# KiCad board poly_kb_molecule_8x5.kicad_pcb (continued)
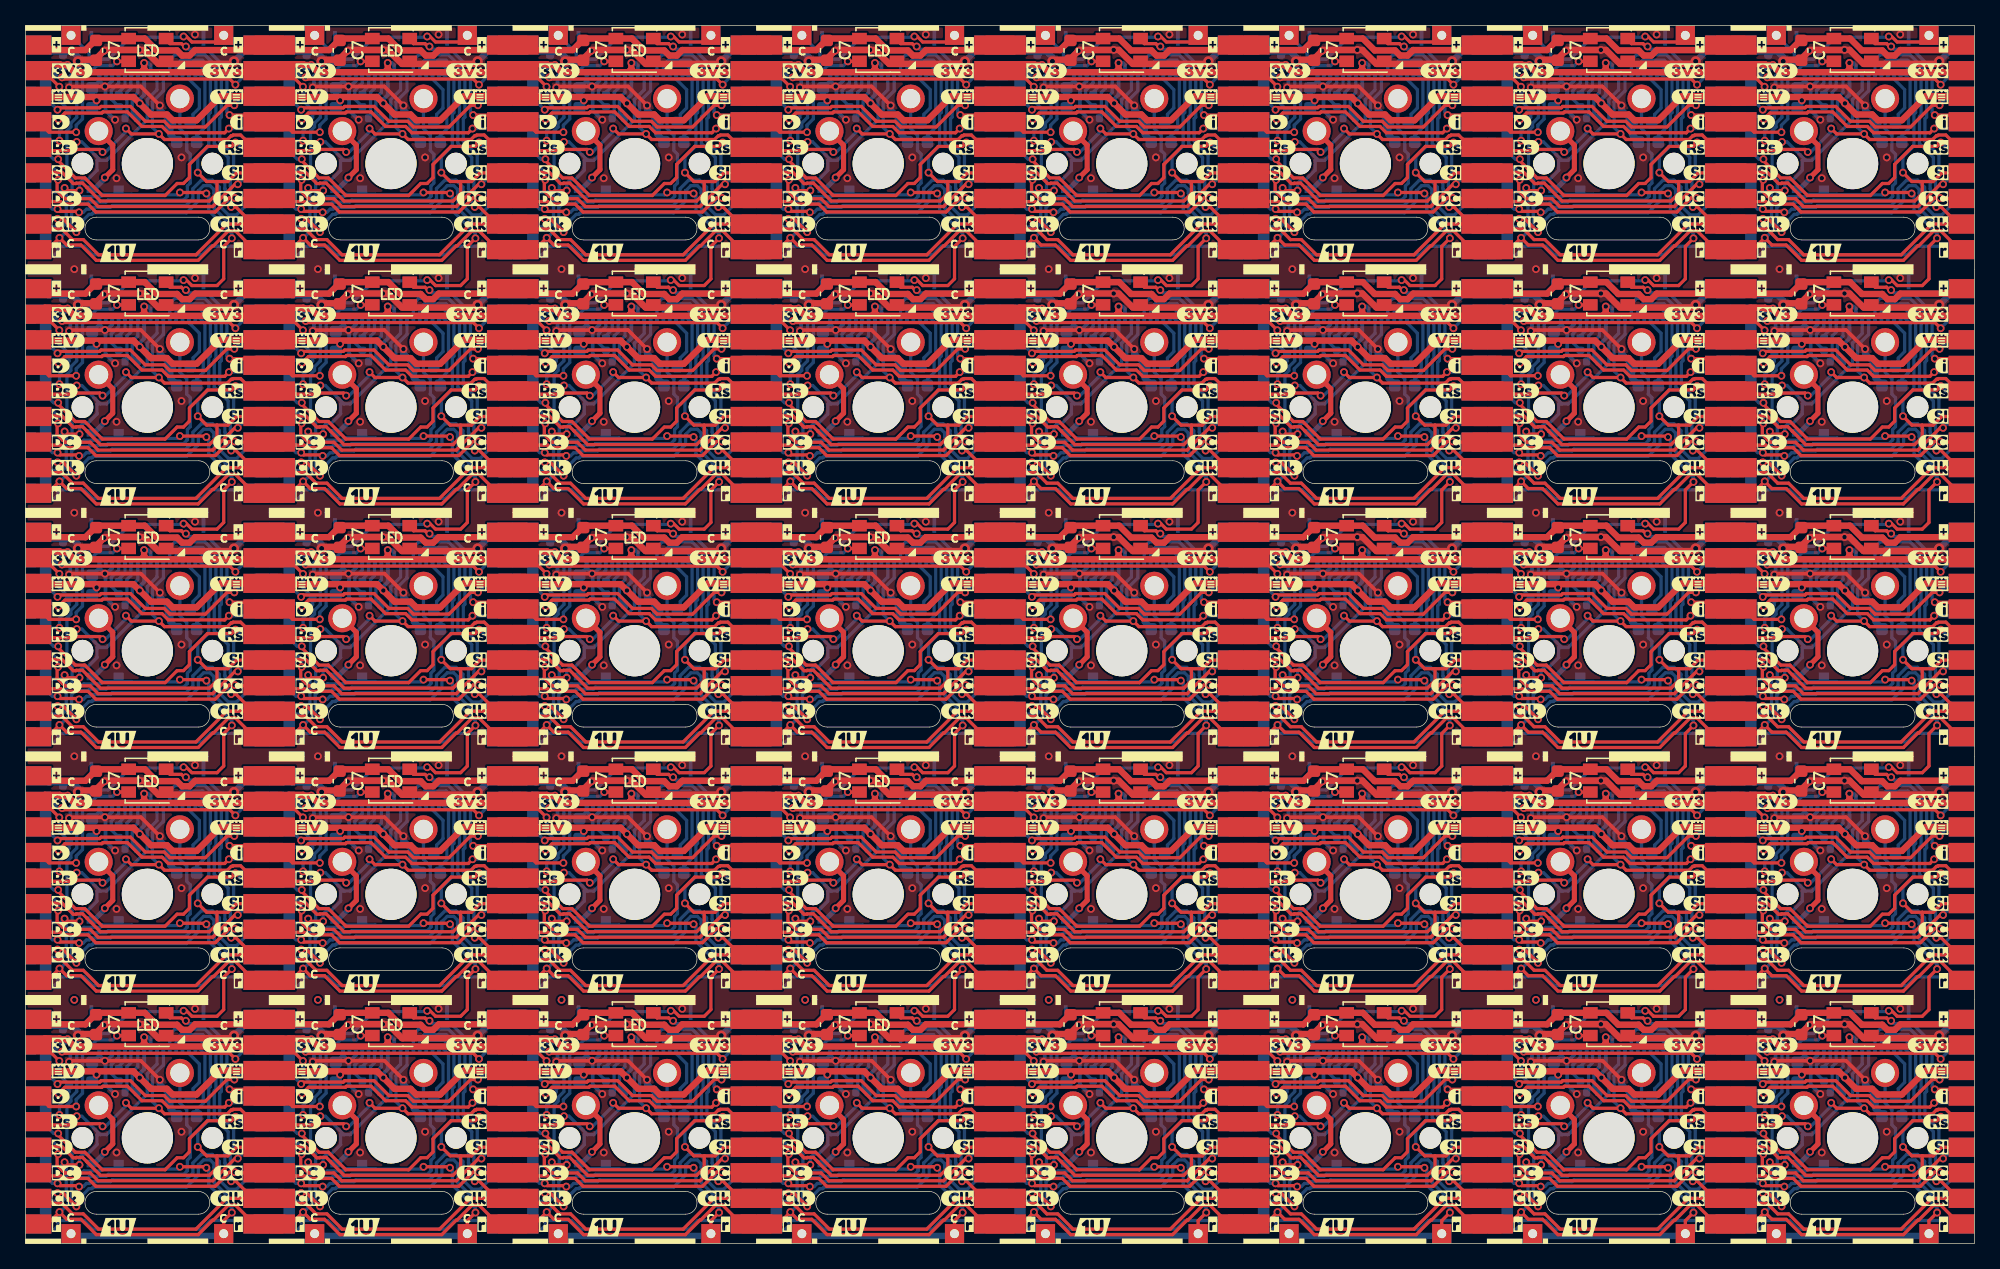
[diagram p0: board, top side]
## Routing (per net, layer and track width the routed paths; a pad name or vN(x,y) marks a point on that pad's centre or on a via; arc(x,y) is an arc through that point) (continued)
/Keyboard/sheet605ED2EB/GND: length 1598.7
  Top w0.292: v1(48.6,12.8) 47.11,14.29 v1(44.3,14.29) 41.56,14.29 41.48,14.21 ; 60.53,14.21 60.61,14.29 v1(63.35,14.29) 66.16,14.29 v1(67.65,12.8) ; 117.68,90.41 117.76,90.49 v1(120.5,90.49) 123.31,90.49 v1(124.8,89) ; 3.38,90.41 3.46,90.49 v1(6.2,90.49) 9.01,90.49 v1(10.5,89) ; 41.48,71.36 41.56,71.44 v1(44.3,71.44) 47.11,71.44 v1(48.6,69.95) ; 3.38,71.36 3.46,71.44 v1(6.2,71.44) 9.01,71.44 v1(10.5,69.95) ; v1(67.65,89) 66.16,90.49 v1(63.35,90.49) 60.61,90.49 60.53,90.41 ; v1(10.5,12.8) 9.01,14.29 v1(6.2,14.29) 3.46,14.29 3.38,14.21 ; 79.58,14.21 79.66,14.29 v1(82.4,14.29) 85.21,14.29 v1(86.7,12.8) ; 41.48,52.31 41.56,52.39 v1(44.3,52.39) 47.11,52.39 v1(48.6,50.9) ; 117.68,33.26 117.76,33.34 v1(120.5,33.34) 123.31,33.34 v1(124.8,31.85) ; 41.48,33.26 41.56,33.34 v1(44.3,33.34) 47.11,33.34 v1(48.6,31.85) ; v1(105.75,12.8) 104.26,14.29 v1(101.45,14.29) 98.71,14.29 98.63,14.21 ; v1(105.75,89) 104.26,90.49 v1(101.45,90.49) 98.71,90.49 98.63,90.41 ; v1(105.75,69.95) 104.26,71.44 v1(101.45,71.44) 98.71,71.44 98.63,71.36 ; 136.73,14.21 136.81,14.29 v1(139.55,14.29) 142.36,14.29 v1(143.85,12.8) ; 60.53,33.26 60.61,33.34 v1(63.35,33.34) 66.16,33.34 v1(67.65,31.85) ; v1(86.7,89) 85.21,90.49 v1(82.4,90.49) 79.66,90.49 79.58,90.41 ; 98.63,33.26 98.71,33.34 v1(101.45,33.34) 104.26,33.34 v1(105.75,31.85) ; 79.58,52.31 79.66,52.39 v1(82.4,52.39) 85.21,52.39 v1(86.7,50.9) ; v1(143.85,69.95) 142.36,71.44 v1(139.55,71.44) 136.81,71.44 136.73,71.36 ; v1(67.65,50.9) 66.16,52.39 v1(63.35,52.39) 60.61,52.39 60.53,52.31 ; 117.68,52.31 117.76,52.39 v1(120.5,52.39) 123.31,52.39 v1(124.8,50.9) ; 136.73,33.26 136.81,33.34 v1(139.55,33.34) 142.36,33.34 v1(143.85,31.85) ; v1(48.6,89) 47.11,90.49 v1(44.3,90.49) 41.56,90.49 41.48,90.41 ; 22.43,90.41 22.51,90.49 v1(25.25,90.49) 28.06,90.49 v1(29.55,89) ; 98.63,52.31 98.71,52.39 v1(101.45,52.39) 104.26,52.39 v1(105.75,50.9) ; v1(29.55,31.85) 28.06,33.34 v1(25.25,33.34) 22.51,33.34 22.43,33.26 ; v1(143.85,50.9) 142.36,52.39 v1(139.55,52.39) 136.81,52.39 136.73,52.31 ; v1(29.55,12.8) 28.06,14.29 v1(25.25,14.29) 22.51,14.29 22.43,14.21 ; 117.68,14.21 117.76,14.29 v1(120.5,14.29) 123.31,14.29 v1(124.8,12.8) ; 3.38,52.31 3.46,52.39 v1(6.2,52.39) 9.01,52.39 v1(10.5,50.9) ; v1(143.85,89) 142.36,90.49 v1(139.55,90.49) 136.81,90.49 136.73,90.41 ; v1(86.7,31.85) 85.21,33.34 v1(82.4,33.34) 79.66,33.34 79.58,33.26 ; v1(10.5,31.85) 9.01,33.34 v1(6.2,33.34) 3.46,33.34 3.38,33.26 ; 22.43,71.36 22.51,71.44 v1(25.25,71.44) 28.06,71.44 v1(29.55,69.95) ; 79.58,71.36 79.66,71.44 v1(82.4,71.44) 85.21,71.44 v1(86.7,69.95) ; 117.68,71.36 117.76,71.44 v1(120.5,71.44) 123.31,71.44 v1(124.8,69.95) ; v1(67.65,69.95) 66.16,71.44 v1(63.35,71.44) 60.61,71.44 60.53,71.36 ; 22.43,52.31 22.51,52.39 v1(25.25,52.39) 28.06,52.39 v1(29.55,50.9)
  Top w0.5: v2(111.55,16.25) 111.35,16.05 105.63,16.05 104.54,17.15 v1(104.14,17.15) 101.46,17.15 v1(101.39,17.08) 100.69,16.38 99.55,16.38 ; 4.3,16.38 5.44,16.38 v1(6.14,17.08) 6.21,17.15 v1(8.89,17.15) 9.29,17.15 10.38,16.05 16.1,16.05 v2(16.3,16.25) ; v2(54.4,73.4) 54.2,73.2 48.48,73.2 47.39,74.3 v1(46.99,74.3) 44.31,74.3 v1(44.24,74.23) 43.54,73.53 42.4,73.53 ; 80.5,92.58 81.64,92.58 v1(82.34,93.28) 82.41,93.34 v1(85.09,93.34) 85.49,93.34 86.58,92.25 92.3,92.25 v2(92.5,92.45) ; 99.55,73.53 100.69,73.53 v1(101.39,74.23) 101.46,74.3 v1(104.14,74.3) 104.54,74.3 105.63,73.2 111.35,73.2 v2(111.55,73.4) ; v2(16.3,54.35) 16.1,54.15 10.38,54.15 9.29,55.24 v1(8.89,55.24) 6.21,55.24 v1(6.14,55.18) 5.44,54.48 4.3,54.48 ; v2(92.5,35.3) 92.3,35.1 86.58,35.1 85.49,36.19 v1(85.09,36.19) 82.41,36.19 v1(82.34,36.13) 81.64,35.43 80.5,35.43 ; v2(35.35,35.3) 35.15,35.1 29.43,35.1 28.34,36.19 v1(27.94,36.19) 25.26,36.19 v1(25.19,36.13) 24.49,35.43 23.35,35.43 ; 23.35,54.48 24.49,54.48 v1(25.19,55.18) 25.26,55.24 v1(27.94,55.24) 28.34,55.24 29.43,54.15 35.15,54.15 v2(35.35,54.35) ; v2(130.6,73.4) 130.4,73.2 124.68,73.2 123.59,74.3 v1(123.19,74.3) 120.51,74.3 v1(120.44,74.23) 119.74,73.53 118.6,73.53 ; 118.6,92.58 119.74,92.58 v1(120.44,93.28) 120.51,93.34 v1(123.19,93.34) 123.59,93.34 124.68,92.25 130.4,92.25 v2(130.6,92.45) ; v2(130.6,54.35) 130.4,54.15 124.68,54.15 123.59,55.24 v1(123.19,55.24) 120.51,55.24 v1(120.44,55.18) 119.74,54.48 118.6,54.48 ; v2(149.65,35.3) 149.45,35.1 143.73,35.1 142.64,36.19 v1(142.24,36.19) 139.56,36.19 v1(139.49,36.13) 138.79,35.43 137.65,35.43 ; v2(92.5,54.35) 92.3,54.15 86.58,54.15 85.49,55.24 v1(85.09,55.24) 82.41,55.24 v1(82.34,55.18) 81.64,54.48 80.5,54.48 ; v2(111.55,54.35) 111.35,54.15 105.63,54.15 104.54,55.24 v1(104.14,55.24) 101.46,55.24 v1(101.39,55.18) 100.69,54.48 99.55,54.48 ; v2(73.45,35.3) 73.25,35.1 67.53,35.1 66.44,36.19 v1(66.04,36.19) 63.36,36.19 v1(63.29,36.13) 62.59,35.43 61.45,35.43 ; v2(73.45,54.35) 73.25,54.15 67.53,54.15 66.44,55.24 v1(66.04,55.24) 63.36,55.24 v1(63.29,55.18) 62.59,54.48 61.45,54.48 ; v2(35.35,73.4) 35.15,73.2 29.43,73.2 28.34,74.3 v1(27.94,74.3) 25.26,74.3 v1(25.19,74.23) 24.49,73.53 23.35,73.53 ; v2(16.3,35.3) 16.1,35.1 10.38,35.1 9.29,36.19 v1(8.89,36.19) 6.21,36.19 v1(6.14,36.13) 5.44,35.43 4.3,35.43 ; v2(92.5,16.25) 92.3,16.05 86.58,16.05 85.49,17.15 v1(85.09,17.15) 82.41,17.15 v1(82.34,17.08) 81.64,16.38 80.5,16.38 ; v2(35.35,16.25) 35.15,16.05 29.43,16.05 28.34,17.15 v1(27.94,17.15) 25.26,17.15 v1(25.19,17.08) 24.49,16.38 23.35,16.38 ; v2(149.65,92.45) 149.45,92.25 143.73,92.25 142.64,93.34 v1(142.24,93.34) 139.56,93.34 v1(139.49,93.28) 138.79,92.58 137.65,92.58 ; v2(73.45,73.4) 73.25,73.2 67.53,73.2 66.44,74.3 v1(66.04,74.3) 63.36,74.3 v1(63.29,74.23) 62.59,73.53 61.45,73.53 ; v2(54.4,54.35) 54.2,54.15 48.48,54.15 47.39,55.24 v1(46.99,55.24) 44.31,55.24 v1(44.24,55.18) 43.54,54.48 42.4,54.48 ; v2(54.4,35.3) 54.2,35.1 48.48,35.1 47.39,36.19 v1(46.99,36.19) 44.31,36.19 v1(44.24,36.13) 43.54,35.43 42.4,35.43 ; 4.3,73.53 5.44,73.53 v1(6.14,74.23) 6.21,74.3 v1(8.89,74.3) 9.29,74.3 10.38,73.2 16.1,73.2 v2(16.3,73.4) ; v2(73.45,92.45) 73.25,92.25 67.53,92.25 66.44,93.34 v1(66.04,93.34) 63.36,93.34 v1(63.29,93.28) 62.59,92.58 61.45,92.58 ; v2(73.45,16.25) 73.25,16.05 67.53,16.05 66.44,17.15 v1(66.04,17.15) 63.36,17.15 v1(63.29,17.08) 62.59,16.38 61.45,16.38 ; v2(54.4,16.25) 54.2,16.05 48.48,16.05 47.39,17.15 v1(46.99,17.15) 44.31,17.15 v1(44.24,17.08) 43.54,16.38 42.4,16.38 ; 42.4,92.58 43.54,92.58 v1(44.24,93.28) 44.31,93.34 v1(46.99,93.34) 47.39,93.34 48.48,92.25 54.2,92.25 v2(54.4,92.45) ; v2(130.6,16.25) 130.4,16.05 124.68,16.05 123.59,17.15 v1(123.19,17.15) 120.51,17.15 v1(120.44,17.08) 119.74,16.38 118.6,16.38 ; v2(149.65,16.25) 149.45,16.05 143.73,16.05 142.64,17.15 v1(142.24,17.15) 139.56,17.15 v1(139.49,17.08) 138.79,16.38 137.65,16.38 ; 137.65,54.48 138.79,54.48 v1(139.49,55.18) 139.56,55.24 v1(142.24,55.24) 142.64,55.24 143.73,54.15 149.45,54.15 v2(149.65,54.35) ; 137.65,73.53 138.79,73.53 v1(139.49,74.23) 139.56,74.3 v1(142.24,74.3) 142.64,74.3 143.73,73.2 149.45,73.2 v2(149.65,73.4) ; 99.55,35.43 100.69,35.43 v1(101.39,36.13) 101.46,36.19 v1(104.14,36.19) 104.54,36.19 105.63,35.1 111.35,35.1 v2(111.55,35.3) ; v2(111.55,92.45) 111.35,92.25 105.63,92.25 104.54,93.34 v1(104.14,93.34) 101.46,93.34 v1(101.39,93.28) 100.69,92.58 99.55,92.58 ; v2(130.6,35.3) 130.4,35.1 124.68,35.1 123.59,36.19 v1(123.19,36.19) 120.51,36.19 v1(120.44,36.13) 119.74,35.43 118.6,35.43 ; v2(92.5,73.4) 92.3,73.2 86.58,73.2 85.49,74.3 v1(85.09,74.3) 82.41,74.3 v1(82.34,74.23) 81.64,73.53 80.5,73.53 ; 23.35,92.58 24.49,92.58 v1(25.19,93.28) 25.26,93.34 v1(27.94,93.34) 28.34,93.34 29.43,92.25 35.15,92.25 v2(35.35,92.45) ; 4.3,92.58 5.44,92.58 v1(6.14,93.28) 6.21,93.34 v1(8.89,93.34) 9.29,93.34 10.38,92.25 16.1,92.25 v2(16.3,92.45)
  Bottom w0.292: 62.36,90.56 62.57,90.56 62.92,90.92 ; 6.98,11.68 6.25,12.42 6.25,14.24 v1(6.2,14.29) ; 140.34,49.78 139.6,50.52 139.6,52.34 v1(139.55,52.39) ; v1(25.25,14.29) 25.3,14.24 25.3,12.42 26.03,11.68 ; v1(25.25,14.29) 25.25,14.29 24.82,14.72 ; v1(25.25,14.29) 25.39,14.29 25.82,14.72 J1#13.3 ; 81.41,33.41 81.62,33.41 81.97,33.77 ; J1#2.1 24.82,33.77 ; 24.82,33.77 24.47,33.41 24.26,33.41 ; 24.82,33.77 25.25,33.34 v1(25.25,33.34) ; v2(23.15,73.4) 23.1,73.35 23.1,72.8 22.55,72.25 22.55,71.48 22.43,71.36 ; v1(25.25,90.49) 25.3,90.44 25.3,88.62 26.03,87.88 ; v1(25.25,90.49) 25.39,90.49 25.82,90.92 J1#24.3 ; v1(25.25,90.49) 25.25,90.49 24.82,90.92 ; J1#11.1 139.12,52.82 ; 139.12,52.82 138.77,52.46 138.56,52.46 ; 139.12,52.82 139.55,52.39 v1(139.55,52.39) ; v2(23.15,35.3) 23.1,35.25 23.1,34.7 22.55,34.15 22.55,33.38 22.43,33.26 ; J1#5.1 120.07,33.77 ; 120.07,33.77 120.5,33.34 v1(120.5,33.34) ; 120.07,33.77 119.72,33.41 119.51,33.41 ; 64.14,49.78 63.4,50.52 63.4,52.34 v1(63.35,52.39) ; 81.41,52.46 81.62,52.46 81.97,52.82 ; J1#21.3 82.97,52.83 82.54,52.39 v1(82.4,52.39) ; v2(99.35,54.35) 99.3,54.3 99.3,53.75 98.75,53.2 98.75,52.43 98.63,52.31 ; 6.98,87.88 6.25,88.62 6.25,90.44 v1(6.2,90.49) ; J1#31.3 102.03,14.72 101.59,14.29 v1(101.45,14.29) ; 24.82,71.87 24.47,71.51 24.26,71.51 ; 24.82,71.87 25.25,71.44 v1(25.25,71.44) ; 24.82,71.87 J1#30.1 ; J1#17.1 101.03,71.87 ; 101.03,71.87 100.67,71.51 100.46,71.51 ; 101.03,71.87 101.45,71.44 v1(101.45,71.44) ; 121.28,49.78 120.55,50.52 120.55,52.34 v1(120.5,52.39) ; v1(139.55,33.34) 139.55,33.34 139.12,33.77 ; v1(139.55,33.34) 139.6,33.29 139.6,31.47 140.34,30.73 ; v1(139.55,33.34) 139.69,33.34 140.12,33.77 J1#28.3 ; v1(44.3,14.29) 44.35,14.24 44.35,12.42 45.08,11.68 ; v1(44.3,14.29) 44.44,14.29 44.88,14.72 J1#27.3 ; v1(44.3,14.29) 44.3,14.29 43.88,14.72 ; 117.68,90.41 117.8,90.53 117.8,91.3 118.35,91.85 118.35,92.4 v2(118.4,92.45) ; 102.23,49.78 101.5,50.52 101.5,52.34 v1(101.45,52.39) ; 120.07,71.87 120.5,71.44 v1(120.5,71.44) ; 120.07,71.87 J1#20.1 ; 120.07,71.87 119.72,71.51 119.51,71.51 ; J1#33.3 63.92,71.88 63.49,71.44 v1(63.35,71.44) ; 98.63,71.36 98.75,71.48 98.75,72.25 99.3,72.8 99.3,73.35 v2(99.35,73.4) ; v1(63.35,33.34) 63.4,33.29 63.4,31.47 64.14,30.73 ; v1(63.35,33.34) 63.35,33.34 62.92,33.77 ; v1(63.35,33.34) 63.49,33.34 63.92,33.77 J1#3.3 ; 5.77,33.77 6.2,33.34 v1(6.2,33.34) ; 5.77,33.77 J1#6.1 ; 5.77,33.77 5.42,33.41 5.21,33.41 ; v1(139.55,14.29) 139.55,14.29 139.12,14.72 ; v1(139.55,14.29) 139.69,14.29 140.12,14.72 J1#15.3 ; v1(139.55,14.29) 139.6,14.24 139.6,12.42 140.34,11.68 ; 43.88,71.87 44.3,71.44 v1(44.3,71.44) ; 43.88,71.87 43.52,71.51 43.31,71.51 ; 43.88,71.87 J1#4.1 ; v2(80.3,73.4) 80.25,73.35 80.25,72.8 79.7,72.25 79.7,71.48 79.58,71.36 ; 136.73,52.31 136.85,52.43 136.85,53.2 137.4,53.75 137.4,54.3 v2(137.45,54.35) ; 22.43,90.41 22.55,90.53 22.55,91.3 23.1,91.85 23.1,92.4 v2(23.15,92.45) ; v1(120.5,71.44) 120.64,71.44 121.07,71.88 J1#20.3 ; v1(120.5,71.44) 120.55,71.39 120.55,69.57 121.28,68.83 ; 83.19,49.78 82.45,50.52 82.45,52.34 v1(82.4,52.39) ; 81.41,90.56 81.62,90.56 81.97,90.92 ; v1(44.3,33.34) 44.44,33.34 44.88,33.77 J1#34.3 ; v1(44.3,33.34) 44.35,33.29 44.35,31.47 45.08,30.73 ; v1(44.3,33.34) 44.3,33.34 43.88,33.77 ; J1#18.1 62.92,90.92 ; 62.92,90.92 63.35,90.49 v1(63.35,90.49) ; J1#35.3 63.92,52.83 63.49,52.39 v1(63.35,52.39) ; 24.82,52.82 24.47,52.46 24.26,52.46 ; 24.82,52.82 25.25,52.39 v1(25.25,52.39) ; 24.82,52.82 J1#23.1 ; 136.73,90.41 136.85,90.53 136.85,91.3 137.4,91.85 137.4,92.4 v2(137.45,92.45) ; 100.46,14.36 100.67,14.36 101.03,14.72 ; 43.31,52.46 43.52,52.46 43.88,52.82 ; v1(120.5,52.39) 120.64,52.39 121.07,52.83 J1#19.3 ; v1(120.5,52.39) 120.5,52.39 120.07,52.82 ; 79.58,33.26 79.7,33.38 79.7,34.15 80.25,34.7 80.25,35.25 v2(80.3,35.3) ; J1#29.3 63.92,14.72 63.49,14.29 v1(63.35,14.29) ; v1(82.4,71.44) 82.54,71.44 82.97,71.88 J1#36.3 ; v1(82.4,71.44) 82.4,71.44 81.97,71.87 ; v1(82.4,71.44) 82.45,71.39 82.45,69.57 83.19,68.83 ; v1(120.5,90.49) 120.64,90.49 121.07,90.92 J1#26.3 ; v1(120.5,90.49) 120.55,90.44 120.55,88.62 121.28,87.88 ; v1(120.5,90.49) 120.5,90.49 120.07,90.92 ; 101.03,33.77 100.67,33.41 100.46,33.41 ; 101.03,33.77 J1#40.1 ; 101.03,33.77 101.45,33.34 v1(101.45,33.34) ; 62.92,71.87 62.57,71.51 62.36,71.51 ; 62.92,71.87 J1#33.1 ; 62.92,71.87 63.35,71.44 v1(63.35,71.44) ; 121.28,30.73 120.55,31.47 120.55,33.29 v1(120.5,33.34) ; 136.73,71.36 136.85,71.48 136.85,72.25 137.4,72.8 137.4,73.35 v2(137.45,73.4) ; 5.21,14.36 5.42,14.36 5.77,14.72 ; v1(25.25,33.34) 25.3,33.29 25.3,31.47 26.03,30.73 ; v1(25.25,33.34) 25.39,33.34 25.82,33.77 J1#2.3 ; 45.08,68.83 44.35,69.57 44.35,71.39 v1(44.3,71.44) ; v1(63.35,90.49) 63.4,90.44 63.4,88.62 64.14,87.88 ; v1(63.35,90.49) 63.49,90.49 63.92,90.92 J1#18.3 ; 24.82,14.72 24.47,14.36 24.26,14.36 ; 24.82,14.72 J1#13.1 ; v1(44.3,90.49) 44.3,90.49 43.88,90.92 ; v1(44.3,90.49) 44.44,90.49 44.88,90.92 J1#10.3 ; v1(44.3,90.49) 44.35,90.44 44.35,88.62 45.08,87.88 ; 81.97,33.77 82.4,33.34 v1(82.4,33.34) ; 81.97,33.77 J1#37.1 ; v2(99.35,35.3) 99.3,35.25 99.3,34.7 98.75,34.15 98.75,33.38 98.63,33.26 ; v1(6.2,33.34) 6.34,33.34 6.77,33.77 J1#6.3 ; v1(6.2,33.34) 6.25,33.29 6.25,31.47 6.98,30.73 ; 138.56,33.41 138.77,33.41 139.12,33.77 ; v1(82.4,14.29) 82.4,14.29 81.97,14.72 ; v1(82.4,14.29) 82.45,14.24 82.45,12.42 83.19,11.68 ; v1(82.4,14.29) 82.54,14.29 82.97,14.72 J1#25.3 ; 62.92,33.77 62.57,33.41 62.36,33.41 ; 62.92,33.77 J1#3.1 ; v1(6.2,52.39) 6.34,52.39 6.77,52.83 J1#9.3 ; v1(6.2,52.39) 6.2,52.39 5.77,52.82 ; v1(6.2,52.39) 6.25,52.34 6.25,50.52 6.98,49.78 ; v2(137.45,35.3) 137.4,35.25 137.4,34.7 136.85,34.15 136.85,33.38 136.73,33.26 ; J1#27.1 43.88,14.72 ; 43.88,14.72 43.52,14.36 43.31,14.36 ; 5.77,14.72 6.2,14.29 v1(6.2,14.29) ; 5.77,14.72 J1#22.1 ; 43.88,90.92 43.52,90.56 43.31,90.56 ; 43.88,90.92 J1#10.1 ; 41.48,14.21 41.6,14.33 41.6,15.1 42.15,15.65 42.15,16.2 v2(42.2,16.25) ; 24.26,90.56 24.47,90.56 24.82,90.92 ; 79.58,14.21 79.7,14.33 79.7,15.1 80.25,15.65 80.25,16.2 v2(80.3,16.25) ; v1(139.55,52.39) 139.69,52.39 140.12,52.83 J1#11.3 ; J1#19.1 120.07,52.82 ; 120.07,52.82 119.72,52.46 119.51,52.46 ; v1(101.45,14.29) 101.45,14.29 101.03,14.72 ; v1(101.45,14.29) 101.5,14.24 101.5,12.42 102.23,11.68 ; v2(80.3,54.35) 80.25,54.3 80.25,53.75 79.7,53.2 79.7,52.43 79.58,52.31 ; J1#14.1 81.97,90.92 ; 81.97,90.92 82.4,90.49 v1(82.4,90.49) ; 81.97,71.87 81.62,71.51 81.41,71.51 ; 81.97,71.87 J1#36.1 ; 102.23,68.83 101.5,69.57 101.5,71.39 v1(101.45,71.44) ; 140.34,68.83 139.6,69.57 139.6,71.39 v1(139.55,71.44) ; 138.56,90.56 138.77,90.56 139.12,90.92 ; v1(101.45,90.49) 101.5,90.44 101.5,88.62 102.23,87.88 ; v1(101.45,90.49) 101.59,90.49 102.03,90.92 J1#38.3 ; v1(101.45,90.49) 101.45,90.49 101.03,90.92 ; v2(42.2,92.45) 42.15,92.4 42.15,91.85 41.6,91.3 41.6,90.53 41.48,90.41 ; J1#29.1 62.92,14.72 ; 62.92,14.72 62.57,14.36 62.36,14.36 ; 62.92,14.72 63.35,14.29 v1(63.35,14.29) ; 5.77,71.87 6.2,71.44 v1(6.2,71.44) ; 5.77,71.87 5.42,71.51 5.21,71.51 ; 5.77,71.87 J1#39.1 ; 41.48,33.26 41.6,33.38 41.6,34.15 42.15,34.7 42.15,35.25 v2(42.2,35.3) ; 60.53,14.21 60.65,14.33 60.65,15.1 61.2,15.65 61.2,16.2 v2(61.25,16.25) ; 81.97,14.72 J1#25.1 ; 81.97,14.72 81.62,14.36 81.41,14.36 ; v1(82.4,33.34) 82.45,33.29 82.45,31.47 83.19,30.73 ; v1(82.4,33.34) 82.54,33.34 82.97,33.77 J1#37.3 ; v2(137.45,16.25) 137.4,16.2 137.4,15.65 136.85,15.1 136.85,14.33 136.73,14.21 ; 3.38,52.31 3.5,52.43 3.5,53.2 4.05,53.75 4.05,54.3 v2(4.1,54.35) ; 3.38,71.36 3.5,71.48 3.5,72.25 4.05,72.8 4.05,73.35 v2(4.1,73.4) ; v1(139.55,71.44) 139.55,71.44 139.12,71.87 ; v1(139.55,71.44) 139.69,71.44 140.12,71.88 J1#16.3 ; 41.48,71.36 41.6,71.48 41.6,72.25 42.15,72.8 42.15,73.35 v2(42.2,73.4) ; v1(82.4,90.49) 82.45,90.44 82.45,88.62 83.19,87.88 ; v1(82.4,90.49) 82.54,90.49 82.97,90.92 J1#14.3 ; v1(6.2,14.29) 6.34,14.29 6.77,14.72 J1#22.3 ; v2(118.4,73.4) 118.35,73.35 118.35,72.8 117.8,72.25 117.8,71.48 117.68,71.36 ; 120.07,90.92 119.72,90.56 119.51,90.56 ; 120.07,90.92 J1#26.1 ; J1#7.1 101.03,52.82 ; 101.03,52.82 101.45,52.39 v1(101.45,52.39) ; 101.03,52.82 100.67,52.46 100.46,52.46 ; v1(25.25,71.44) 25.39,71.44 25.82,71.88 J1#30.3 ; v1(25.25,71.44) 25.3,71.39 25.3,69.57 26.03,68.83 ; 139.12,33.77 J1#28.1 ; 26.03,49.78 25.3,50.52 25.3,52.34 v1(25.25,52.39) ; 5.77,90.92 5.42,90.56 5.21,90.56 ; 5.77,90.92 J1.1 ; 5.77,90.92 6.2,90.49 v1(6.2,90.49) ; J1#32.3 140.12,90.92 139.69,90.49 v1(139.55,90.49) ; v2(118.4,35.3) 118.35,35.25 118.35,34.7 117.8,34.15 117.8,33.38 117.68,33.26 ; v2(23.15,16.25) 23.1,16.2 23.1,15.65 22.55,15.1 22.55,14.33 22.43,14.21 ; v2(4.1,92.45) 4.05,92.4 4.05,91.85 3.5,91.3 3.5,90.53 3.38,90.41 ; J1#12.3 44.88,52.83 44.44,52.39 v1(44.3,52.39) ; v1(63.35,71.44) 63.4,71.39 63.4,69.57 64.14,68.83 ; v2(61.25,73.4) 61.2,73.35 61.2,72.8 60.65,72.25 60.65,71.48 60.53,71.36 ; 43.88,52.82 J1#12.1 ; 43.88,52.82 44.3,52.39 v1(44.3,52.39) ; v1(25.25,52.39) 25.39,52.39 25.82,52.83 J1#23.3 ; 120.07,14.72 119.72,14.36 119.51,14.36 ; 120.07,14.72 120.5,14.29 v1(120.5,14.29) ; 120.07,14.72 J1#8.1 ; J1#5.3 121.07,33.77 120.64,33.34 v1(120.5,33.34) ; v2(4.1,16.25) 4.05,16.2 4.05,15.65 3.5,15.1 3.5,14.33 3.38,14.21 ; J1#32.1 139.12,90.92 ; 139.12,90.92 139.55,90.49 v1(139.55,90.49) ; v1(44.3,52.39) 44.35,52.34 44.35,50.52 45.08,49.78 ; v1(63.35,52.39) 63.35,52.39 62.92,52.82 ; v1(63.35,14.29) 63.4,14.24 63.4,12.42 64.14,11.68 ; J1#39.3 6.77,71.88 6.34,71.44 v1(6.2,71.44) ; J1#31.1 101.03,14.72 ; J1#21.1 81.97,52.82 ; 81.97,52.82 82.4,52.39 v1(82.4,52.39) ; J1#35.1 62.92,52.82 ; 62.92,52.82 62.57,52.46 62.36,52.46 ; v1(139.55,90.49) 139.6,90.44 139.6,88.62 140.34,87.88 ; v2(61.25,92.45) 61.2,92.4 61.2,91.85 60.65,91.3 60.65,90.53 60.53,90.41 ; v1(101.45,52.39) 101.59,52.39 102.03,52.83 J1#7.3 ; v1(120.5,14.29) 120.55,14.24 120.55,12.42 121.28,11.68 ; v1(120.5,14.29) 120.64,14.29 121.07,14.72 J1#8.3 ; 138.56,71.51 138.77,71.51 139.12,71.87 ; 117.68,52.31 117.8,52.43 117.8,53.2 118.35,53.75 118.35,54.3 v2(118.4,54.35) ; 100.46,90.56 100.67,90.56 101.03,90.92 ; v1(6.2,71.44) 6.25,71.39 6.25,69.57 6.98,68.83 ; v1(44.3,71.44) 44.44,71.44 44.88,71.88 J1#4.3 ; 117.68,14.21 117.8,14.33 117.8,15.1 118.35,15.65 118.35,16.2 v2(118.4,16.25) ; 101.03,90.92 J1#38.1 ; 139.12,14.72 138.77,14.36 138.56,14.36 ; 139.12,14.72 J1#15.1 ; v1(101.45,33.34) 101.59,33.34 102.03,33.77 J1#40.3 ; v1(101.45,33.34) 101.5,33.29 101.5,31.47 102.23,30.73 ; J1#9.1 5.77,52.82 ; 5.77,52.82 5.42,52.46 5.21,52.46 ; J1#16.1 139.12,71.87 ; v2(99.35,16.25) 99.3,16.2 99.3,15.65 98.75,15.1 98.75,14.33 98.63,14.21 ; J1#34.1 43.88,33.77 ; 43.88,33.77 43.52,33.41 43.31,33.41 ; v1(6.2,90.49) 6.34,90.49 6.77,90.92 J1.3 ; v2(4.1,35.3) 4.05,35.25 4.05,34.7 3.5,34.15 3.5,33.38 3.38,33.26 ; J1#17.3 102.03,71.88 101.59,71.44 v1(101.45,71.44) ; v2(42.2,54.35) 42.15,54.3 42.15,53.75 41.6,53.2 41.6,52.43 41.48,52.31 ; 79.58,90.41 79.7,90.53 79.7,91.3 80.25,91.85 80.25,92.4 v2(80.3,92.45) ; 22.43,52.31 22.55,52.43 22.55,53.2 23.1,53.75 23.1,54.3 v2(23.15,54.35) ; v2(61.25,35.3) 61.2,35.25 61.2,34.7 60.65,34.15 60.65,33.38 60.53,33.26 ; 24.82,90.92 J1#24.1 ; 60.53,52.31 60.65,52.43 60.65,53.2 61.2,53.75 61.2,54.3 v2(61.25,54.35) ; v2(99.35,92.45) 99.3,92.4 99.3,91.85 98.75,91.3 98.75,90.53 98.63,90.41
  Bottom w0.5: v1(86.7,50.9) 86.7,50.55 87.53,49.72 87.53,49.66 ; C3#13.2 79.23,54.94 79.23,55.12 ; v1(10.5,89) 10.5,88.65 11.32,87.82 11.32,87.76 ; 144.67,87.76 144.67,86.72 145.16,86.23 ; v2(54.4,92.45) 55.67,93.72 55.88,93.72 ; v2(149.65,92.45) 150.93,93.72 151.13,93.72 ; 36.83,17.53 36.62,17.53 v2(35.35,16.25) ; 60.18,36.07 60.18,35.89 C3#32.2 ; 60.18,36.07 58.93,36.07 58.42,36.58 ; 60.18,36.07 60.81,36.07 61.25,35.63 v2(61.25,35.3) ; 144.68,87.76 144.68,87.82 143.85,88.65 v1(143.85,89) ; 136.38,55.12 135.13,55.12 134.62,55.62 ; 136.38,55.12 137.01,55.12 137.45,54.68 v2(137.45,54.35) ; 136.38,55.12 136.38,54.94 C3#3.2 ; 125.62,11.56 125.62,11.62 124.8,12.45 v1(124.8,12.8) ; v2(35.35,73.4) 36.62,74.67 36.83,74.67 ; 79.23,55.12 79.86,55.12 80.3,54.68 v2(80.3,54.35) ; 79.23,55.12 77.98,55.12 77.47,55.62 ; v2(35.35,35.3) 36.62,36.58 36.83,36.58 ; v2(61.25,54.35) 61.25,54.68 60.81,55.12 60.18,55.12 ; 49.42,11.56 49.42,10.52 49.91,10.03 ; 107.06,48.13 106.57,48.62 106.57,49.66 ; 55.88,74.67 55.67,74.67 v2(54.4,73.4) ; 20.32,17.53 20.83,17.02 22.08,17.02 ; 115.57,93.72 116.08,93.22 117.33,93.22 ; v2(111.55,54.35) 112.82,55.62 113.03,55.62 ; C3#37.2 3.03,73.99 3.03,74.17 ; 98.28,55.12 98.91,55.12 99.35,54.68 v2(99.35,54.35) ; 98.28,55.12 98.28,54.94 C3#21.2 ; 98.28,55.12 97.03,55.12 96.52,55.62 ; 3.03,17.02 3.03,16.84 C3#18.2 ; 3.03,17.02 1.78,17.02 1.27,17.53 ; 3.03,17.02 3.66,17.02 4.1,16.58 v2(4.1,16.25) ; 22.08,74.17 22.08,73.99 C3#29.2 ; 22.08,74.17 22.71,74.17 23.15,73.73 v2(23.15,73.4) ; 22.08,74.17 20.83,74.17 20.32,74.67 ; C3#6.2 117.33,35.89 117.33,36.07 ; v2(149.65,35.3) 150.93,36.58 151.13,36.58 ; v2(99.35,92.45) 99.35,92.78 98.91,93.22 98.28,93.22 ; 87.52,87.76 87.52,86.72 88.01,86.23 ; v2(130.6,54.35) 131.88,55.62 132.08,55.62 ; 98.28,74.17 98.28,73.99 C3#15.2 ; 98.28,74.17 98.91,74.17 99.35,73.73 v2(99.35,73.4) ; 98.28,74.17 97.03,74.17 96.52,74.67 ; 30.37,87.76 30.37,86.72 30.86,86.23 ; C3#40.2 60.18,73.99 60.18,74.17 ; C3#27.2 79.23,35.89 79.23,36.07 ; v1(105.75,50.9) 105.75,50.55 106.57,49.72 106.57,49.66 ; 113.03,36.58 112.82,36.58 v2(111.55,35.3) ; 49.42,68.71 49.42,67.67 49.91,67.18 ; 125.62,87.76 125.62,86.72 126.11,86.23 ; 11.32,11.56 11.32,11.62 10.5,12.45 v1(10.5,12.8) ; 79.23,17.02 77.98,17.02 77.47,17.53 ; 79.23,17.02 79.86,17.02 80.3,16.58 v2(80.3,16.25) ; 79.23,17.02 79.23,16.84 C3#14.2 ; 113.03,17.53 112.82,17.53 v2(111.55,16.25) ; 79.23,74.17 79.86,74.17 80.3,73.73 v2(80.3,73.4) ; 79.23,74.17 79.23,73.99 C3#25.2 ; 79.23,74.17 77.98,74.17 77.47,74.67 ; 68.96,67.18 68.47,67.67 68.47,68.71 ; 30.86,48.13 30.37,48.62 30.37,49.66 ; 17.78,36.58 17.57,36.58 v2(16.3,35.3) ; v1(10.5,50.9) 10.5,50.55 11.32,49.72 11.32,49.66 ; v2(42.2,92.45) 42.2,92.78 41.76,93.22 41.13,93.22 ; 126.11,67.18 125.62,67.67 125.62,68.71 ; 11.32,11.56 11.32,10.52 11.81,10.03 ; v2(130.6,73.4) 131.88,74.67 132.08,74.67 ; v1(29.55,12.8) 29.55,12.45 30.38,11.62 30.38,11.56 ; 117.33,74.17 117.33,73.99 C3#16.2 ; 117.33,74.17 117.96,74.17 118.4,73.73 v2(118.4,73.4) ; 117.33,74.17 116.08,74.17 115.57,74.67 ; v2(130.6,16.25) 131.88,17.53 132.08,17.53 ; 39.37,17.53 39.88,17.02 41.13,17.02 ; v2(4.1,73.4) 4.1,73.73 3.66,74.17 3.03,74.17 ; v1(86.7,89) 86.7,88.65 87.53,87.82 87.53,87.76 ; v1(67.65,89) 67.65,88.65 68.47,87.82 68.47,87.76 ; 36.83,93.72 36.62,93.72 v2(35.35,92.45) ; v1(105.75,31.85) 105.75,31.5 106.57,30.67 106.57,30.61 ; 11.81,48.13 11.32,48.62 11.32,49.66 ; v1(143.85,69.95) 143.85,69.6 144.68,68.77 144.68,68.71 ; 117.33,55.12 117.33,54.94 C3#24.2 ; 117.33,55.12 117.96,55.12 118.4,54.68 v2(118.4,54.35) ; 117.33,55.12 116.08,55.12 115.57,55.62 ; 3.03,74.17 1.78,74.17 1.27,74.67 ; 136.38,93.22 136.38,93.04 C3#7.2 ; 136.38,93.22 135.13,93.22 134.62,93.72 ; 136.38,93.22 137.01,93.22 137.45,92.78 v2(137.45,92.45) ; 58.42,55.62 58.93,55.12 60.18,55.12 ; 11.32,30.61 11.32,30.67 10.5,31.5 v1(10.5,31.85) ; 17.78,93.72 17.57,93.72 v2(16.3,92.45) ; 106.57,11.56 106.57,10.52 107.06,10.03 ; v1(86.7,31.85) 86.7,31.5 87.53,30.67 87.53,30.61 ; 3.03,55.12 1.78,55.12 1.27,55.62 ; 3.03,55.12 3.66,55.12 4.1,54.68 v2(4.1,54.35) ; 3.03,55.12 3.03,54.94 C3#28.2 ; v1(143.85,12.8) 143.85,12.45 144.68,11.62 144.68,11.56 ; C3#17.2 22.08,54.94 22.08,55.12 ; 11.81,67.18 11.32,67.67 11.32,68.71 ; C3#22.2 22.08,16.84 22.08,17.02 ; v2(42.2,35.3) 42.2,35.63 41.76,36.07 41.13,36.07 ; C3#35.2 22.08,93.04 22.08,93.22 ; 74.93,36.58 74.72,36.58 v2(73.45,35.3) ; v1(143.85,50.9) 143.85,50.55 144.68,49.72 144.68,49.66 ; 87.52,11.56 87.52,10.52 88.01,10.03 ; 107.06,86.23 106.57,86.72 106.57,87.76 ; 41.13,36.07 39.88,36.07 39.37,36.58 ; 41.13,36.07 41.13,35.89 C3#39.2 ; 3.03,93.22 3.66,93.22 4.1,92.78 v2(4.1,92.45) ; 3.03,93.22 3.03,93.04 C3.2 ; 3.03,93.22 1.78,93.22 1.27,93.72 ; 55.88,36.58 55.67,36.58 v2(54.4,35.3) ; 49.42,87.76 49.42,86.72 49.91,86.23 ; 132.08,93.72 131.88,93.72 v2(130.6,92.45) ; C3#30.2 3.03,35.89 3.03,36.07 ; C3#20.2 136.38,35.89 136.38,36.07 ; 41.13,17.02 41.13,16.84 C3#23.2 ; 41.13,17.02 41.76,17.02 42.2,16.58 v2(42.2,16.25) ; v1(48.6,31.85) 48.6,31.5 49.42,30.67 49.42,30.61 ; 136.38,74.17 137.01,74.17 137.45,73.73 v2(137.45,73.4) ; 136.38,74.17 136.38,73.99 C3#9.2 ; 136.38,74.17 135.13,74.17 134.62,74.67 ; 98.28,17.02 98.28,16.84 C3#38.2 ; 98.28,17.02 97.03,17.02 96.52,17.53 ; 98.28,17.02 98.91,17.02 99.35,16.58 v2(99.35,16.25) ; 11.32,87.76 11.32,86.72 11.81,86.23 ; 11.81,29.08 11.32,29.57 11.32,30.61 ; v1(67.65,50.9) 67.65,50.55 68.47,49.72 68.47,49.66 ; v2(137.45,35.3) 137.45,35.63 137.01,36.07 136.38,36.07 ; v2(99.35,35.3) 99.35,35.63 98.91,36.07 98.28,36.07 ; 125.62,87.76 125.62,87.82 124.8,88.65 v1(124.8,89) ; v1(67.65,69.95) 67.65,69.6 68.47,68.77 68.47,68.71 ; 79.23,93.22 77.98,93.22 77.47,93.72 ; 79.23,93.22 79.86,93.22 80.3,92.78 v2(80.3,92.45) ; 79.23,93.22 79.23,93.04 C3#12.2 ; 96.52,93.72 97.03,93.22 98.28,93.22 ; 60.18,17.02 58.93,17.02 58.42,17.53 ; 60.18,17.02 60.81,17.02 61.25,16.58 v2(61.25,16.25) ; 60.18,17.02 60.18,16.84 C3#34.2 ; v1(29.55,89) 29.55,88.65 30.38,87.82 30.38,87.76 ; 60.18,93.22 60.81,93.22 61.25,92.78 v2(61.25,92.45) ; 60.18,93.22 58.93,93.22 58.42,93.72 ; 60.18,93.22 60.18,93.04 C3#4.2 ; v1(29.55,50.9) 29.55,50.55 30.38,49.72 30.38,49.66 ; v2(118.4,92.45) 118.4,92.78 117.96,93.22 117.33,93.22 ; 79.23,36.07 77.98,36.07 77.47,36.58 ; 79.23,36.07 79.86,36.07 80.3,35.63 v2(80.3,35.3) ; v1(48.6,50.9) 48.6,50.55 49.42,49.72 49.42,49.66 ; C3#36.2 41.13,54.94 41.13,55.12 ; 20.32,55.62 20.83,55.12 22.08,55.12 ; 1.27,36.58 1.78,36.07 3.03,36.07 ; v1(10.5,69.95) 10.5,69.6 11.32,68.77 11.32,68.71 ; 107.06,67.18 106.57,67.67 106.57,68.71 ; 134.62,36.58 135.13,36.07 136.38,36.07 ; 98.28,93.22 98.28,93.04 C3#33.2 ; v2(23.15,16.25) 23.15,16.58 22.71,17.02 22.08,17.02 ; v2(92.5,73.4) 93.78,74.67 93.98,74.67 ; C3#31.2 117.33,16.84 117.33,17.02 ; 3.03,36.07 3.66,36.07 4.1,35.63 v2(4.1,35.3) ; 22.08,93.22 20.83,93.22 20.32,93.72 ; 22.08,93.22 22.71,93.22 23.15,92.78 v2(23.15,92.45) ; v1(86.7,69.95) 86.7,69.6 87.53,68.77 87.53,68.71 ; 39.37,55.62 39.88,55.12 41.13,55.12 ; 125.62,49.66 125.62,49.72 124.8,50.55 v1(124.8,50.9) ; 136.38,17.02 135.13,17.02 134.62,17.53 ; 136.38,17.02 137.01,17.02 137.45,16.58 v2(137.45,16.25) ; 136.38,17.02 136.38,16.84 C3#11.2 ; C3#26.2 117.33,93.04 117.33,93.22 ; 117.33,17.02 116.08,17.02 115.57,17.53 ; 117.33,17.02 117.96,17.02 118.4,16.58 v2(118.4,16.25) ; 41.13,93.22 41.13,93.04 C3#10.2 ; 41.13,93.22 39.88,93.22 39.37,93.72 ; 41.13,74.17 41.76,74.17 42.2,73.73 v2(42.2,73.4) ; 41.13,74.17 39.88,74.17 39.37,74.67 ; 41.13,74.17 41.13,73.99 C3#8.2 ; 144.67,68.71 144.67,67.67 145.16,67.18 ; 60.18,55.12 60.18,54.94 C3#2.2 ; 144.67,30.61 144.67,29.57 145.16,29.08 ; 30.86,10.03 30.37,10.52 30.37,11.56 ; 22.08,55.12 22.71,55.12 23.15,54.68 v2(23.15,54.35) ; v1(124.8,31.85) 124.8,31.5 125.62,30.67 125.62,30.61 ; 55.88,55.62 55.67,55.62 v2(54.4,54.35) ; v1(105.75,12.8) 105.75,12.45 106.57,11.62 106.57,11.56 ; 126.11,29.08 125.62,29.57 125.62,30.61 ; 49.42,11.56 49.42,11.62 48.6,12.45 v1(48.6,12.8) ; 106.57,87.76 106.57,87.82 105.75,88.65 v1(105.75,89) ; 74.93,74.67 74.72,74.67 v2(73.45,73.4) ; 60.18,74.17 60.81,74.17 61.25,73.73 v2(61.25,73.4) ; 60.18,74.17 58.93,74.17 58.42,74.67 ; C3#5.2 98.28,35.89 98.28,36.07 ; v2(149.65,54.35) 150.93,55.62 151.13,55.62 ; 87.52,68.71 87.52,67.67 88.01,67.18 ; 49.42,87.76 49.42,87.82 48.6,88.65 v1(48.6,89) ; 151.13,74.67 150.93,74.67 v2(149.65,73.4) ; 30.86,29.08 30.37,29.57 30.37,30.61 ; 151.13,17.53 150.93,17.53 v2(149.65,16.25) ; 87.53,11.56 87.53,11.62 86.7,12.45 v1(86.7,12.8) ; 87.52,49.66 87.52,48.62 88.01,48.13 ; 87.52,30.61 87.52,29.57 88.01,29.08 ; 132.08,36.58 131.88,36.58 v2(130.6,35.3) ; 30.37,68.71 30.37,67.67 30.86,67.18 ; 117.33,36.07 117.96,36.07 118.4,35.63 v2(118.4,35.3) ; 117.33,36.07 116.08,36.07 115.57,36.58 ; v1(124.8,69.95) 124.8,69.6 125.62,68.77 125.62,68.71 ; 68.96,86.23 68.47,86.72 68.47,87.76 ; 20.32,36.58 20.83,36.07 22.08,36.07 ; v2(92.5,92.45) 93.78,93.72 93.98,93.72 ; 41.13,55.12 41.76,55.12 42.2,54.68 v2(42.2,54.35) ; 98.28,36.07 97.03,36.07 96.52,36.58 ; 144.68,30.61 144.68,30.67 143.85,31.5 v1(143.85,31.85) ; v1(29.55,31.85) 29.55,31.5 30.38,30.67 30.38,30.61 ; v2(16.3,54.35) 17.57,55.62 17.78,55.62 ; v1(48.6,69.95) 48.6,69.6 49.42,68.77 49.42,68.71 ; 36.83,55.62 36.62,55.62 v2(35.35,54.35) ; v2(54.4,16.25) 55.67,17.53 55.88,17.53 ; 126.11,10.03 125.62,10.52 125.62,11.56 ; 68.96,29.08 68.47,29.57 68.47,30.61 ; 17.78,17.53 17.57,17.53 v2(16.3,16.25) ; 144.67,11.56 144.67,10.52 145.16,10.03 ; 49.42,49.66 49.42,48.62 49.91,48.13 ; 93.98,17.53 93.78,17.53 v2(92.5,16.25) ; 22.08,36.07 22.08,35.89 C3#19.2 ; 22.08,36.07 22.71,36.07 23.15,35.63 v2(23.15,35.3) ; 68.47,30.61 68.47,30.67 67.65,31.5 v1(67.65,31.85) ; 125.62,49.66 125.62,48.62 126.11,48.13 ; 93.98,36.58 93.78,36.58 v2(92.5,35.3) ; v2(73.45,54.35) 74.72,55.62 74.93,55.62 ; v2(92.5,54.35) 93.78,55.62 93.98,55.62 ; 74.93,17.53 74.72,17.53 v2(73.45,16.25) ; 49.42,30.61 49.42,29.57 49.91,29.08 ; 30.38,68.71 30.38,68.77 29.55,69.6 v1(29.55,69.95) ; v2(16.3,73.4) 17.57,74.67 17.78,74.67 ; 113.03,74.67 112.82,74.67 v2(111.55,73.4) ; 68.47,11.56 68.47,11.62 67.65,12.45 v1(67.65,12.8) ; 68.96,48.13 68.47,48.62 68.47,49.66 ; 113.03,93.72 112.82,93.72 v2(111.55,92.45) ; 68.47,11.56 68.47,10.52 68.96,10.03 ; v1(105.75,69.95) 105.75,69.6 106.57,68.77 106.57,68.71 ; 107.06,29.08 106.57,29.57 106.57,30.61 ; v2(73.45,92.45) 74.72,93.72 74.93,93.72 ; 145.16,48.13 144.67,48.62 144.67,49.66